# Altium PCB MB1364.PcbDoc (part 4 of 4)
Units mm, origin at the board's own origin, x right, y up, seen from the top; angles counter-clockwise.
Board outline 67.71 x 181.1 mm, 6 copper layers (Top Layer, Signal Layer 1, Signal Layer 2, Signal Layer 3, Signal Layer 4, Bottom Layer), stack 1.57 mm thick; 215 components, 268 nets, 726 pads, 253 vias.
Unrouted connection lines stored in the file: 311.
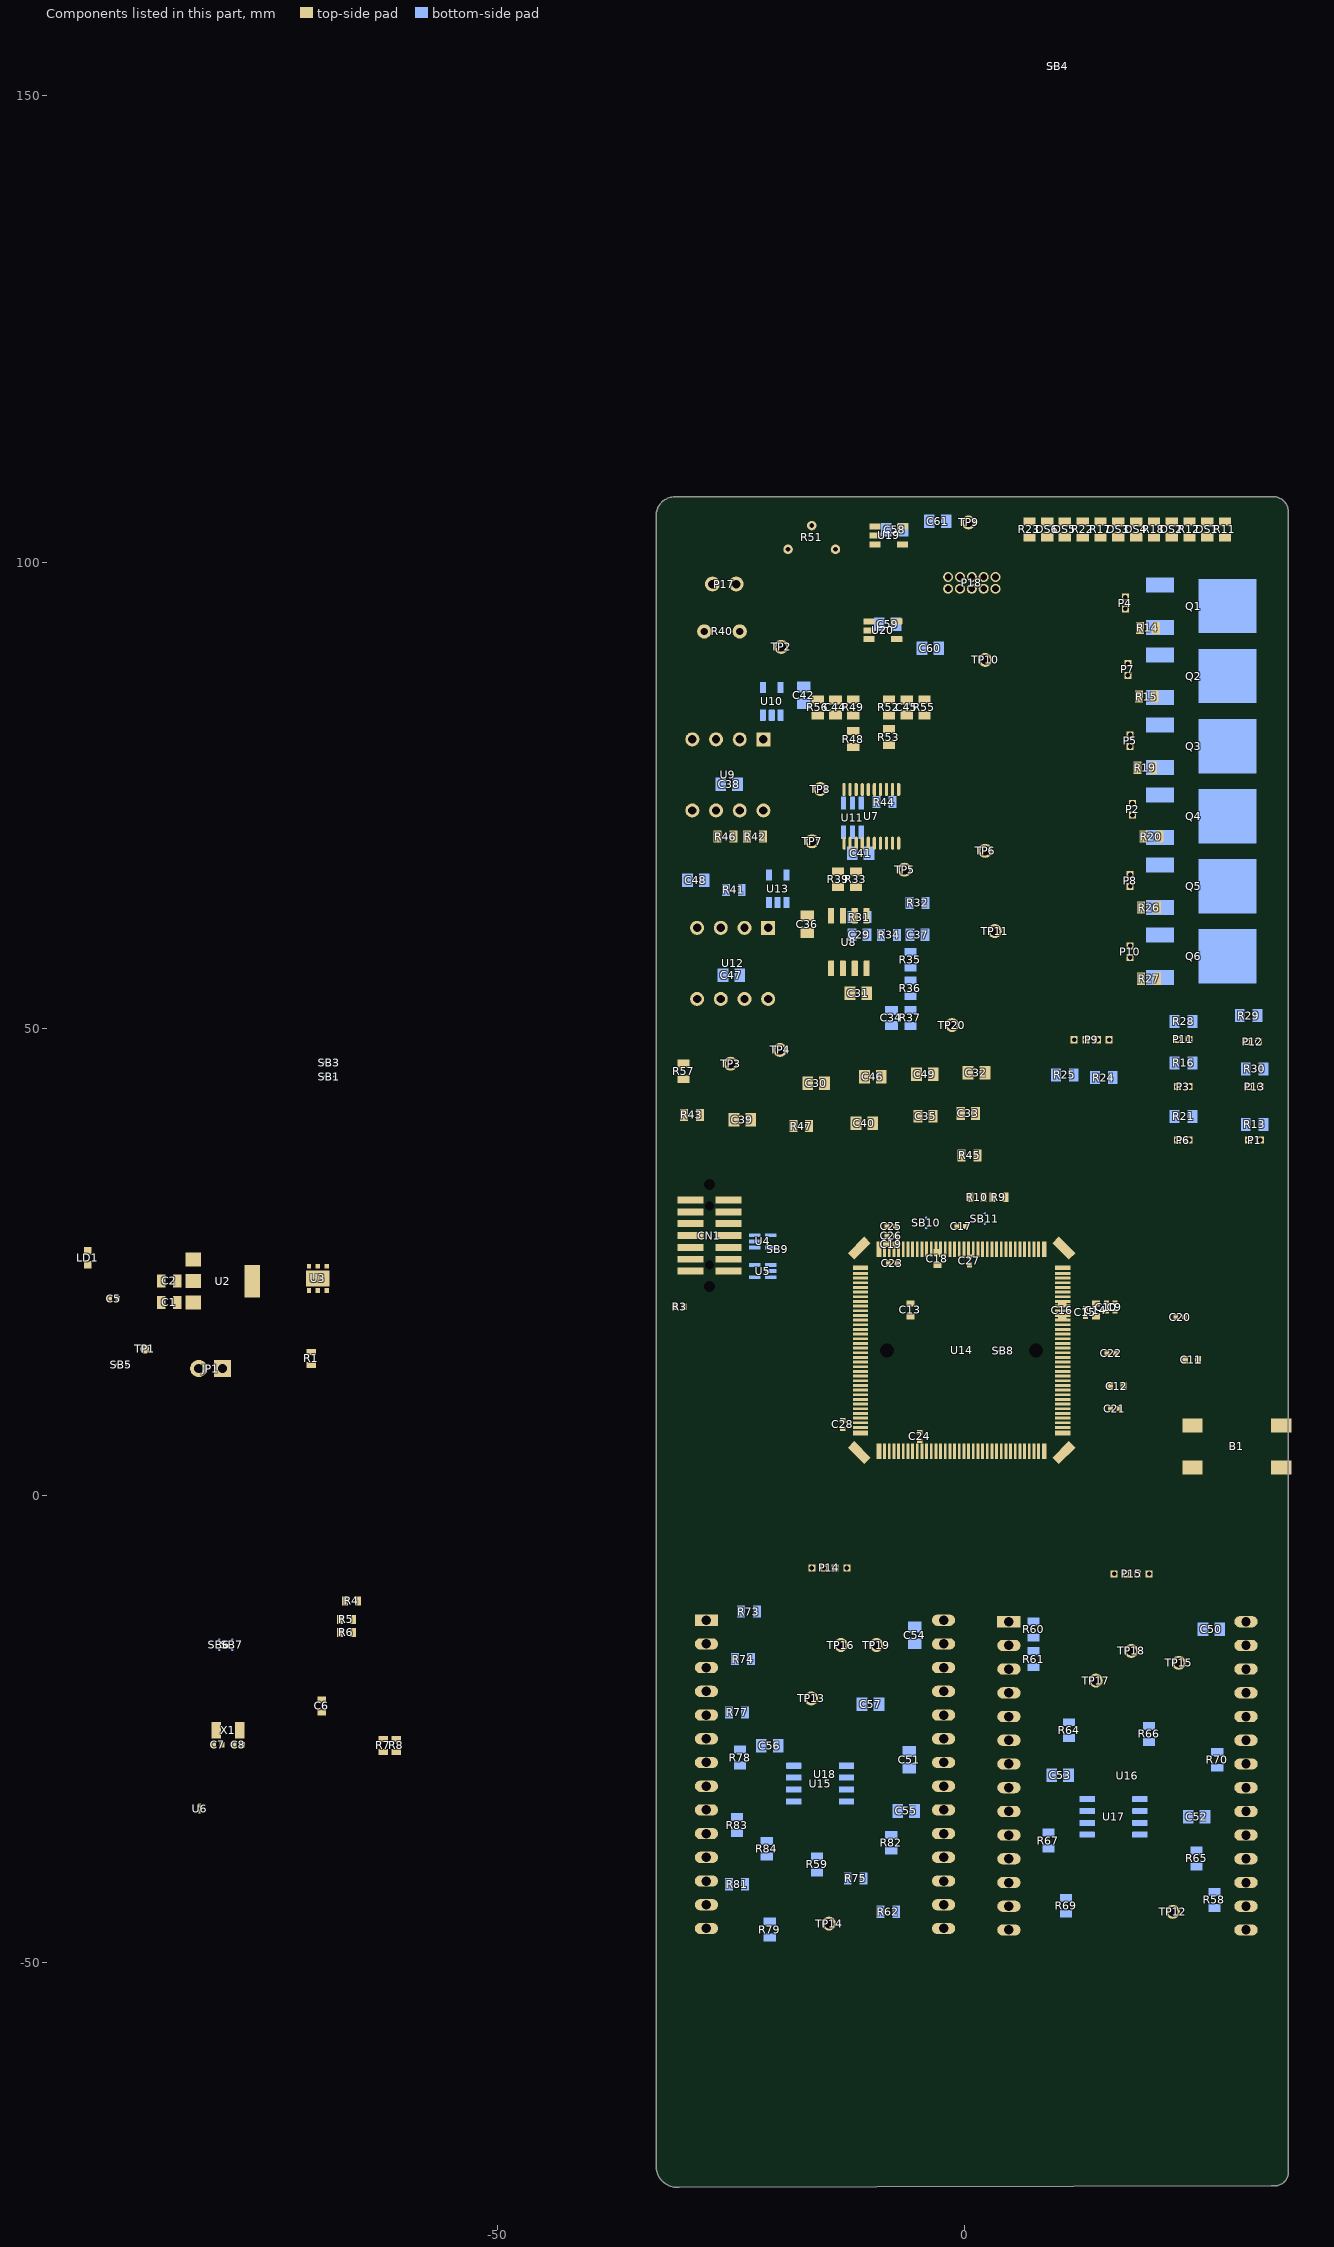
[diagram p8: the components of this part, seen from the top]

## Silkscreen, mask and mechanical layers (free items; w line width, h text height) (continued)
Top Solder:
  region: 32.831,15.701 32.831,24.201 30.831,24.201 30.831,15.701
Bottom Solder:
  region: 32.831,15.701 32.831,24.201 30.831,24.201 30.831,15.701
M1-Board Shape:
  lines w0.1: -32.988,105.34 cw(c-30.988,105.34) -30.988,107.34 35.012,107.34 cw(c35.012,105.34) 37.012,105.34
Drill Drawing:
  drawing of 559 lines, arcs and shapes, not listed
  text "THE COMPONENTS WITH PLATED THROUGH HOLE (PTH) MAY BE WELDED (CABLED) IN \"PIN-IN-PASTE\" MODE (IF NECESSARY)" at -33.975,157.45 h3.5
  text "PCB SPECIFICATIONS :" at -32.939,150.279 h3
  text "PCB : TYPE 3" at 115.473,150.047 h3
  text "A.   MATERIAL :" at -32.939,146.279 h3
  text "FR-4" at 5.561,146.279 h3
  text "TG-170" at 22.061,146.279 h3
  text "X  TG-150" at 40.311,146.279 h3
  text "TG-140" at 56.311,146.279 h3
  text "ASPECT-RATIO, AXE Z :" at 115.473,144.547 h3
  text "B.   MATERIAL FAMILY :" at -32.939,143.279 h3
  text "N/A" at 5.561,143.279 h3
  text "C.   SOLDERMASK COLOR :" at -32.939,140.279 h3
  text "GREEN" at 5.561,140.279 h3
  text "X  WHITE" at 22.061,140.279 h3
  text "RED" at 40.311,140.279 h3
  text "BLACK" at 56.311,140.279 h3
  text "6:1 to 8:1 / LEVEL \"B\"" at 115.491,137.799 h3
  text "D.   SILKSCREEN COLOR :" at -32.939,137.279 h3
  text "WHITE" at 5.561,137.279 h3
  text "YELLOW" at 22.061,137.279 h3
  text "BLACK" at 40.311,137.279 h3
  text "X  Blue ink PANTONE 2955" at 56.311,137.279 h3
  text "E.   SURFACE FINISH :" at -32.939,134.279 h3
  text "X  ENIG" at 5.561,134.279 h3
  text "IMMERSION SILVER" at 22.061,134.279 h3
  text "IMMERSION TIN" at 56.311,134.279 h3
  text "MINIMUM PARAMETERS" at 115.518,132.198 h3
  text "HASL" at 5.561,131.279 h3
  text "HASL (PB-FREE)" at 22.061,131.279 h3
  text "GOLDEN FINGER" at 56.311,131.279 h3
  text "F.   IMPEDANCE CONTROL :" at -32.939,128.279 h3
  text "NO" at 5.561,128.279 h3
  text "X  YES  (SEE IMPEDANCE TABLE FOR DETAIL INFORMATION)" at 22.061,128.279 h3
  text "DEFAULT" at 115.518,126.698 h3
  text "G.   THROUGH VIA :" at -32.939,125.279 h3
  text "PLUG THE VIAS WHICH ARE COVERED WITH SOLDERMASK ONE OR TWO SIDE." at 5.561,125.279 h3
  text "PLUG MATERIAL :" at 5.561,122.279 h3
  text "X  SOLDERMASK" at 31.061,122.279 h3
  text "NON-CONDUCTIVE EPOXY." at 56.311,122.279 h3
  text "TRACKS : 0.120mm           / GAPS : 0.120mm" at 115.518,120.948 h3
  text "H.   STACK-UP :" at -32.939,119.279 h3
  text "SEE LAYER STACK-UP SEQUENCE FOR OVERALL THICKNESS." at 5.561,119.279 h3
  text "Layer" at 44.741,108.779 h2
  text "Name" at 53.109,108.779 h2
  text "Material" at 69.285,108.779 h2
  text "Thickness" at 83.824,108.779 h2
  text "Constant" at 95.765,108.779 h2
  text "Board Layer Stack" at 106.82,108.779 h2
  text "IMPEDANCE TABLE    RMII" at 128.739,108.594 h3
  text "1" at 44.741,104.779 h2
  text "Top Overlay" at 53.109,104.779 h2
  text "LAYER" at 132.989,103.594 h3
  text "TRACE" at 149.239,103.594 h3
  text "SPACING" at 159.739,103.594 h3
  text "IMPEDANCE" at 173.239,103.594 h3
  text "IMPEDANCE" at 190.239,103.594 h3
  text "TOL." at 208.989,103.594 h3
  text "(mm)" at 163.064,101.119 h2.5
  text "(mm)" at 151.239,101.069 h2.5
  text "(Single ended)" at 173.739,100.844 h2.5
  text "(Differential)" at 191.489,100.844 h2.5
  text "2" at 44.741,100.779 h2
  text "Top Solder" at 53.109,100.779 h2
  text "Solder Resist" at 69.285,100.779 h2
  text "0.015mm" at 83.824,100.779 h2
  text "3.5" at 95.765,100.779 h2
  text "+/- 15%" at 208.044,97.204 h3
  text "0.127" at 150.214,97.119 h3
  text "TOP/BOTTOM" at 129.219,97.079 h3
  text "n/a" at 162.239,97.094 h3
  text "50 ohm" at 176.594,97.029 h3
  text "n/a" at 196.144,96.979 h3
  text "3" at 44.741,96.779 h2
  text "Top Layer" at 53.109,96.779 h2
  text "Copper" at 69.285,96.779 h2
  text "0.042mm" at 83.824,96.779 h2
  text "+/- 15%" at 208.049,93.689 h3
  text "0.102" at 150.219,93.604 h3
  text "n/a" at 162.244,93.579 h3
  text "LAYER 3" at 131.164,93.544 h3
  text "50 ohm" at 176.599,93.514 h3
  text "n/a" at 196.149,93.464 h3
  text "4" at 44.741,92.779 h2
  text "Dielectric 1" at 53.109,92.779 h2
  text "FR-4" at 69.285,92.779 h2
  text "0.099mm" at 83.824,92.779 h2
  text "4.2" at 95.765,92.779 h2
  text "5" at 44.741,88.779 h2
  text "Signal Layer 1" at 53.109,88.779 h2
  text "Copper" at 69.285,88.779 h2
  text "0.035mm" at 83.824,88.779 h2
  text "IMPEDANCE TABLE    RD / RX / TD / TX" at 128.739,88.274 h3
  text "6" at 44.741,84.779 h2
  text "Dielectric 2" at 53.109,84.779 h2
  text "0.102mm" at 83.824,84.779 h2
  text "4.2" at 95.765,84.779 h2
  text "LAYER" at 132.989,83.655 h3
  text "TRACE" at 149.239,83.655 h3
  text "SPACING" at 159.739,83.655 h3
  text "IMPEDANCE" at 173.239,83.655 h3
  text "IMPEDANCE" at 190.239,83.655 h3
  text "TOL." at 208.989,83.655 h3
  text "(mm)" at 163.064,81.18 h2.5
  text "(mm)" at 151.239,81.13 h2.5
  text "(Single ended)" at 173.739,80.905 h2.5
  text "(Differential)" at 191.489,80.905 h2.5
  text "7" at 44.741,80.779 h2
  text "Signal Layer 2" at 53.109,80.779 h2
  text "Copper" at 69.285,80.779 h2
  text "0.035mm" at 83.824,80.779 h2
  text "+/- 15%" at 208.044,77.265 h3
  text "0.130" at 150.214,77.18 h3
  text "TOP/BOTTOM" at 129.219,77.14 h3
  text "0.251" at 162.239,77.155 h3
  text "n/a" at 176.594,77.09 h3
  text "100 ohm" at 192.68,77.041 h3
  text "8" at 44.741,76.779 h2
  text "Dielectric 3" at 53.109,76.779 h2
  text "0.946mm" at 83.824,76.779 h2
  text "4.2" at 95.765,76.779 h2
  text "+/- 15%" at 208.049,73.75 h3
  text "0.104" at 150.219,73.665 h3
  text "0.277" at 162.244,73.64 h3
  text "LAYER 3" at 131.164,73.605 h3
  text "100 ohm" at 192.68,73.612 h3
  text "n/a" at 176.599,73.575 h3
  text "9" at 44.741,72.779 h2
  text "Signal Layer 3" at 53.109,72.779 h2
  text "Copper" at 69.285,72.779 h2
  text "0.035mm" at 83.824,72.779 h2
  text "IMPEDANCE TABLE   USB FS, USB HS USER, USB HS STLINK" at 128.739,68.843 h3
  text "10" at 44.741,68.779 h2
  text "Dielectric 4" at 53.109,68.779 h2
  text "0.102mm" at 83.824,68.779 h2
  text "4.2" at 95.765,68.779 h2
  text "11" at 44.741,64.779 h2
  text "Signal Layer 4" at 53.109,64.779 h2
  text "Copper" at 69.285,64.779 h2
  text "0.035mm" at 83.824,64.779 h2
  text "LAYER" at 132.989,63.843 h3
  text "TRACE" at 149.239,63.843 h3
  text "SPACING" at 159.739,63.843 h3
  text "IMPEDANCE" at 173.239,63.843 h3
  text "IMPEDANCE" at 190.239,63.843 h3
  text "TOL." at 208.989,63.843 h3
  text "(mm)" at 163.064,61.368 h2.5
  text "(mm)" at 151.239,61.318 h2.5
  text "(Single ended)" at 173.739,61.093 h2.5
  text "(Differential)" at 191.489,61.093 h2.5
  text "12" at 44.741,60.779 h2
  text "Dielectric 5" at 53.109,60.779 h2
  text "0.099mm" at 83.824,60.779 h2
  text "4.2" at 95.765,60.779 h2
  text "+/- 15%" at 208.044,57.453 h3
  text "0.155" at 150.214,57.368 h3
  text "TOP/BOTTOM" at 129.219,57.328 h3
  text "0.226" at 162.239,57.343 h3
  text "n/a" at 176.594,57.278 h3
  text "90 ohm" at 192.68,57.102 h3
  text "13" at 44.741,56.779 h2
  text "Bottom Layer" at 53.109,56.779 h2
  text "Copper" at 69.285,56.779 h2
  text "0.042mm" at 83.824,56.779 h2
  text "+/- 15%" at 208.049,53.938 h3
  text "0.130" at 150.219,53.853 h3
  text "0.251" at 162.244,53.828 h3
  text "LAYER 3" at 131.164,53.793 h3
  text "90 ohm" at 192.68,53.8 h3
  text "n/a" at 176.599,53.763 h3
  text "14" at 44.741,52.779 h2
  text "Bottom Solder" at 53.109,52.779 h2
  text "Solder Resist" at 69.285,52.779 h2
  text "0.015mm" at 83.824,52.779 h2
  text "3.5" at 95.765,52.779 h2
  text "15" at 44.741,48.779 h2
  text "Bottom Overlay" at 53.109,48.779 h2
  text "Symbol" at 45.452,29.151 h2.4
  text "Count" at 54.847,29.151 h2.4
  text "Hole Size" at 64.644,29.151 h2.4
  text "Plated" at 82.895,29.151 h2.4
  text "Hole Type" at 91.146,29.151 h2.4
  text "Drill Layer Pair" at 103.154,29.151 h2.4
  text "Hole Length" at 125.9,29.151 h2.4
  text "Routed Path Length" at 139.644,29.151 h2.4
  text "253" at 54.847,25.008 h2
  text "0.200mm (7.87mil)" at 64.644,25.008 h2
  text "PTH" at 82.895,25.008 h2
  text "Round" at 91.146,25.008 h2
  text "Top Layer - Bottom Layer" at 103.154,25.008 h2
  text "-" at 125.9,25.008 h2
  text "-" at 139.644,25.008 h2
  text "36" at 54.847,20.865 h2
  text "0.500mm (19.69mil)" at 64.644,20.865 h2
  text "PTH" at 82.895,20.865 h2
  text "Round" at 91.146,20.865 h2
  text "Top Layer - Bottom Layer" at 103.154,20.865 h2
  text "-" at 125.9,20.865 h2
  text "-" at 139.644,20.865 h2
  text "3" at 54.847,16.723 h2
  text "0.508mm (20.00mil)" at 64.644,16.723 h2
  text "PTH" at 82.895,16.723 h2
  text "Round" at 91.146,16.723 h2
  text "Top Layer - Bottom Layer" at 103.154,16.723 h2
  text "-" at 125.9,16.723 h2
  text "-" at 139.644,16.723 h2
  text "10" at 54.847,12.58 h2
  text "0.711mm (28.00mil)" at 64.644,12.58 h2
  text "PTH" at 82.895,12.58 h2
  text "Round" at 91.146,12.58 h2
  text "Top Layer - Bottom Layer" at 103.154,12.58 h2
  text "-" at 125.9,12.58 h2
  text "-" at 139.644,12.58 h2
  text "2" at 54.847,8.437 h2
  text "0.762mm (30.00mil)" at 64.644,8.437 h2
  text "PTH" at 82.895,8.437 h2
  text "Round" at 91.146,8.437 h2
  text "Top Layer - Bottom Layer" at 103.154,8.437 h2
  text "-" at 125.9,8.437 h2
  text "-" at 139.644,8.437 h2
  text "16" at 54.847,4.295 h2
  text "0.900mm (35.43mil)" at 64.644,4.295 h2
  text "PTH" at 82.895,4.295 h2
  text "Round" at 91.146,4.295 h2
  text "Top Layer - Bottom Layer" at 103.154,4.295 h2
  text "-" at 125.9,4.295 h2
  text "-" at 139.644,4.295 h2
  text "2" at 54.847,0.152 h2
  text "0.910mm (35.83mil)" at 64.644,0.152 h2
  text "PTH" at 82.895,0.152 h2
  text "Round" at 91.146,0.152 h2
  text "Top Layer - Bottom Layer" at 103.154,0.152 h2
  text "-" at 125.9,0.152 h2
  text "-" at 139.644,0.152 h2
  text "2" at 54.847,-3.99 h2
  text "0.970mm (38.19mil)" at 64.644,-3.99 h2
  text "NPTH" at 82.895,-3.99 h2
  text "Round" at 91.146,-3.99 h2
  text "Top Layer - Bottom Layer" at 103.154,-3.99 h2
  text "-" at 125.9,-3.99 h2
  text "-" at 139.644,-3.99 h2
  text "B" at 44.663,-4.244 h1.84
  text "21" at 54.847,-8.133 h2
  text "1.000mm (39.37mil)" at 64.644,-8.133 h2
  text "PTH" at 82.895,-8.133 h2
  text "Round" at 91.146,-8.133 h2
  text "Top Layer - Bottom Layer" at 103.154,-8.133 h2
  text "-" at 125.9,-8.133 h2
  text "-" at 139.644,-8.133 h2
  text "56" at 54.847,-12.276 h2
  text "1.016mm (40.00mil)" at 64.644,-12.276 h2
  text "PTH" at 82.895,-12.276 h2
  text "Round" at 91.146,-12.276 h2
  text "Top Layer - Bottom Layer" at 103.154,-12.276 h2
  text "-" at 125.9,-12.276 h2
  text "-" at 139.644,-12.276 h2
  text "2" at 54.847,-16.418 h2
  text "1.190mm (46.85mil)" at 64.644,-16.418 h2
  text "NPTH" at 82.895,-16.418 h2
  text "Round" at 91.146,-16.418 h2
  text "Top Layer - Bottom Layer" at 103.154,-16.418 h2
  text "-" at 125.9,-16.418 h2
  text "-" at 139.644,-16.418 h2
  text "C" at 44.663,-16.672 h1.84
  text "2" at 54.847,-20.561 h2
  text "1.500mm (59.06mil)" at 64.644,-20.561 h2
  text "NPTH" at 82.895,-20.561 h2
  text "Round" at 91.146,-20.561 h2
  text "Top Layer - Bottom Layer" at 103.154,-20.561 h2
  text "-" at 125.9,-20.561 h2
  text "-" at 139.644,-20.561 h2
  text "405 Total" at 54.847,-24.703 h2

## Dimensions
-41.203,-74.076 to -33.223,-48.59 on M2-Board Dimensions
-32.51,105.288 to 34.375,105.278 on M2-Board Dimensions
-28.808,-74.076 to -30.9,106.715 on M2-Board Dimensions